# Altium PCB Carrier_Board.PcbDoc (part 1 of 2)
Units mm, origin at the board's own origin, x right, y up, seen from the top; angles counter-clockwise.
Board outline 80 x 90 mm, 2 copper layers (Top Layer, Bottom Layer); 131 components, 109 nets, 507 pads, 240 vias.
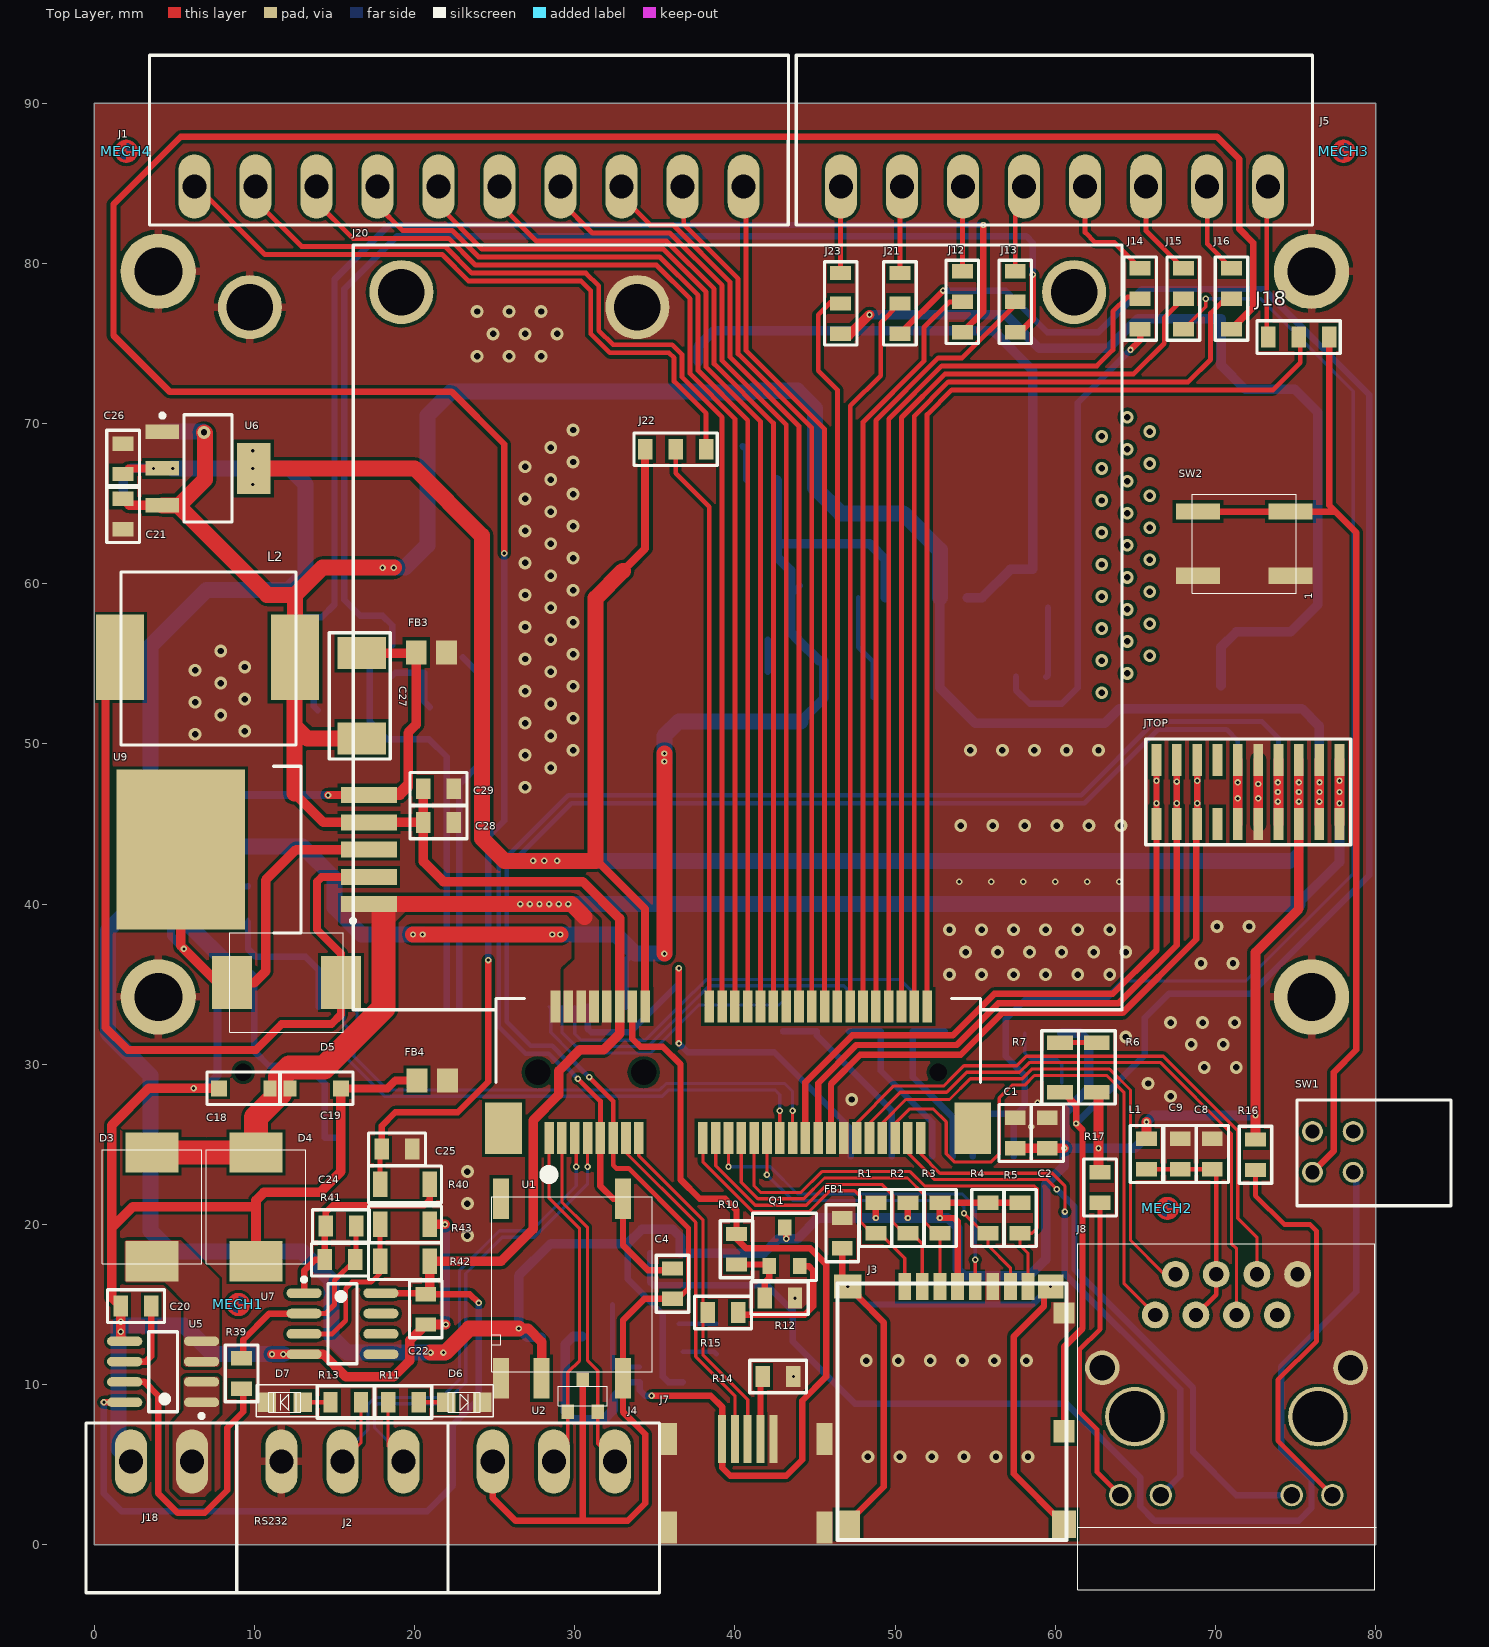
[diagram p0: Top Layer view]
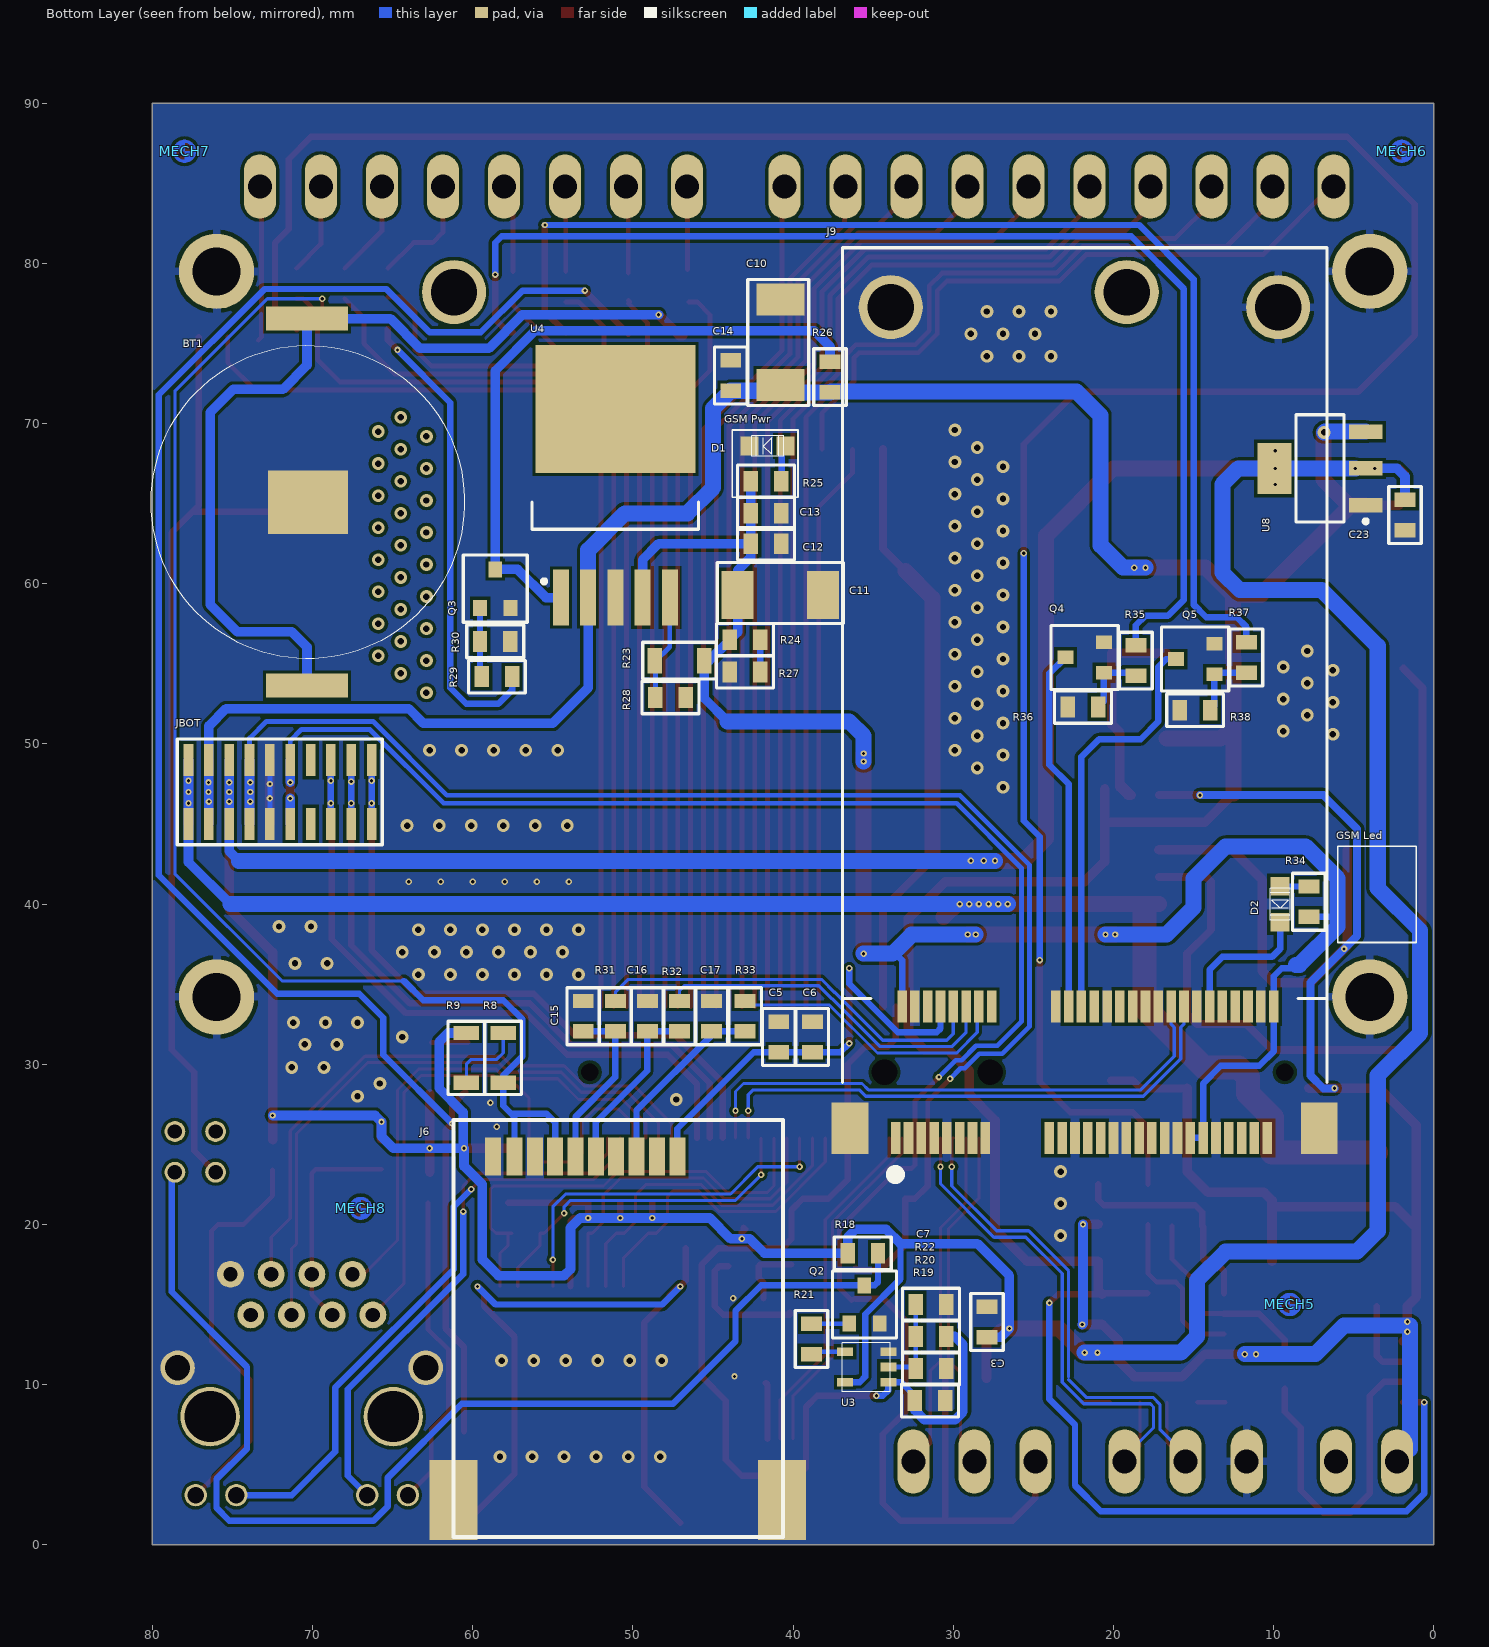
[diagram p1: Bottom Layer view, seen from below]

## Layer stack, top to bottom
Top Solder: solder mask 0.0102, Solder Resist, Dk 3.5
Top Layer: signal copper 0.0356
Dielectric 1: dielectric 0.32, FR-4, Dk 4.8
Bottom Layer: signal copper 0.0356
Bottom Solder: solder mask 0.0102, Solder Resist, Dk 3.5

## Board outline
0,0 0,90 80,90 80,0

## Design rules (kind name [scope] priority, off if disabled: settings)
Clearance [All] p1: gap=0.2 ignorepadtopadclearanceinfootprint=FALSE except(0: Arc-Hole Track-Hole SMDPad-Hole THPad-Hole Via-Hole Fill-Hole Poly-Hole Region-Hole Text-Hole)
ComponentClearance [All] p1 off: gap=0.1 collisioncheckmode=3 verticalgap=0.1 showdistances=FALSE
DiffPairsRouting [All] p1: maxlimit=0.2 minlimit=0.2 mostfreqgap=0.2 toplayer_minwidth=0.2 toplayer_maxwidth=0.2 toplayer_prefwidth=0.2 bottomlayer_minwidth=0.2 bottomlayer_maxwidth=0.2 bottomlayer_prefwidth=0.2 maxuncoupledlength=12.7
Height [All] p1 off: minheight=0 maxheight=25.4 prefheight=12.7
HoleSize [All] p1: absolutevalues=TRUE maxlimit=10 minlimit=0.025 maxpercent=80.000 minpercent=20.000
HoleToHoleClearance [All] p1: gap=0.1 allowstackedmicrovias=TRUE
MinimumSolderMaskSliver [All] p1: minsoldermaskwidth=0.001
PlaneConnect [All] p1: planeconnectstyle=Relief reliefexpansion=0.2 reliefentries=4 reliefconductorwidth=0.2 reliefairgap=0.2
PolygonConnect PolygonConnect_2 [InNet('NetD3_2') and OnLayer('Top Layer')] p1: connectstyle=Direct reliefconductorwidth=0.254 reliefentries=4 polygonreliefangle="90 Angle" airgapwidth=0.254
PolygonConnect PolygonConnect_3 [InNet('24V') and OnLayer('Top Layer')] p2: connectstyle=Direct reliefconductorwidth=0.254 reliefentries=4 polygonreliefangle="90 Angle" airgapwidth=0.254
PolygonConnect PolygonConnect_1 [InNet('NetJ18_1') and OnLayer('Top Layer')] p3: connectstyle=Direct reliefconductorwidth=0.254 reliefentries=4 polygonreliefangle="90 Angle" airgapwidth=0.254
PolygonConnect [All] p4: connectstyle=Relief reliefconductorwidth=0.5 reliefentries=4 polygonreliefangle="90 Angle" airgapwidth=0.25
RoutingVias [All] p1: holewidth=0.2 width=0.4 viastyle="Through Hole" minholewidth=0.2 minwidth=0.4 maxholewidth=0.2 maxwidth=0.4
SilkToSilkClearance [All] p1: silktosilkclearance=0.1
SilkToSolderMaskClearance [IsPad] p1: minsilkscreentomaskgap=0 clearancetoexposedcopper=TRUE
SolderMaskExpansion [All] p1: expansion=0.102 istentingtop=FALSE
Width [All] p1: maxlimit=2 minlimit=0.2 preferedwidth=0.2
21 further rules are at their usual default settings.

## Classes and differential pairs
component class "[01] - Connectors": BT1 C1 C2 C3 C4 C5 C6 C7 C8 C9 D6 D7 FB1 J1 J2 J3 J4 J5 J6 J7 J8 JBOT JTOP L1 MECH1 MECH2 MECH3 MECH4 MECH5 MECH6 MECH7 MECH8 Q1 Q2 R1 R2 R3 R4 R5 R6 R7 R8 R9 R10 R11 R12 R13 R14 R15 R16 R17 R18 R19 R20 R21 R22 SW1 SW2 U1 U2 U3
component class "[03] - GSM": C10 C11 C12 C13 C14 C15 C16 C17 D1 D2 J9 Q3 Q4 Q5 R23 R24 R25 R26 R27 R28 R29 R30 R31 R32 R33 R34 R35 R36 R37 R38 U4
component class "[04] - PCI-Modul": J12 J13 J14 J15 J16 J18 J20 J21 J22 J23
component class "[02] - Power": C18 C19 C20 C21 C22 C23 C24 C25 C26 C27 C28 C29 D3 D4 D5 FB3 FB4 J18 L2 R39 R40 R41 R42 R43 U5 U6 U7 U8 U9
net class DIFF90: GSM_N GSM_P
net class ETHRT: 3V3 ETH0_ACTLED ETH0_LINKLED ETHER0RD_N ETHER0RD_P ETHER0TD_N ETHER0TD_P GND NetC8_2 NetJ8_7 NetJ8_D2 NetJ8_D4 NetJ8_M1 NetJ8_M2
net class GSM_HS: GSM_N GSM_P
net class MMC_SD: STM32F4_MMC0_CLK STM32F4_MMC0_CMD STM32F4_MMC0_D0 STM32F4_MMC0_D1 STM32F4_MMC0_D2 STM32F4_MMC0_D3
net class RS323: GND NetD6_2 NetD7_2 NetJ2_3 PCI_RS232_RIN PCI_RS232_TOUT
net class RS485: 3V3 GND GND0 ISO5V NetU1_8 PCI_RS485_USART3_A PCI_RS485_USART3_B
net class SDCARD: 3V3 CHASSIS_SD GND MMC_CD0 NetR6_1 STM32F4_MMC0_CLK STM32F4_MMC0_CMD STM32F4_MMC0_D0 STM32F4_MMC0_D1 STM32F4_MMC0_D2 STM32F4_MMC0_D3
net class SIMCARD: 3V3 GND GSM_SIM_CLK GSM_SIM_DATA GSM_SIM_PWR GSM_SIM_RST NetJ6_5 NetJ6_6 NetR8_2 SIMCARD_DETECT
net class USB: 3V3 GND NetC7_2 NetJ7_4 NetQ1_1 NetQ1_2 NetQ2_1 NetQ2_3 NetR21_2 NetSW1_3 NetSW1_4 PCI_PIN_AUTO U5V_ST USB_1_DM USB_1_DP
differential pair GSM: +GSM_P -GSM_N

## Components (designator, comment, footprint, x,y, rotation, side; value= is the part's Value field where it differs from the comment)
BT1 "2032" "2032 SMT Bulk" 70.325,65.1 r270 bottom
C1 "100nF" C0805 57.5,25.7 r270 top
C2 "4.7µF" C0805 59.5,25.7 r270 top
C3 "4.7µF" C0805 27.9,13.9 r90 bottom
C4 "10µF" C0805 36.1,16.3 r270 top
C5 "CAP CER 33PF 50V" C0805 40.9,31.7 r90 bottom
C6 "100nF" C0805 38.8,31.7 r90 bottom
C7 "10µF" C0805 31.4,15 r0 bottom
C8 "100nF" C0805 69.8,24.4 r270 top
C9 "100nF" C0805 67.8,24.4 r270 top
C10 "100µF" Case_C 40.8,75.067 r90 bottom
C11 "100µF" Case_C 40.8,59.3 r180 bottom
C12 "18PF" C0805 41.7,62.5 r0 bottom
C13 "18PF" C0805 41.7,64.4 r0 bottom
C14 "100nF" C0805 43.9,73 r270 bottom
C15 "CAP CER 33PF 50V" C0805 53.1,33 r90 bottom
C16 "CAP CER 33PF 50V" C0805 49.1,33 r90 bottom
C17 "CAP CER 33PF 50V" C0805 45.1,33 r90 bottom
C18 "CAP TANT 1UF 35V 10% 1206" Case_A 9.2,28.5 r180 top
C19 "CAP TANT 1UF 35V 10% 1206" Case_A 14,28.5 r0 top
C20 "100nF" C0805 2.6,14.9 r180 top
C21 "100nF" C0805 1.8,64.35 r90 top
C22 "100nF" C0805 20.7,14.7 r90 top
C23 "100nF" C0805 1.8,64.3 r90 bottom
C24 "1µF" c0805 15.4,19.9 r180 top
C25 "10µF" C0805 18.9,24.7 r180 top
C26 "100nF" C0805 1.8,67.8 r270 top
C27 "100µF" Case_C 16.7,53 r90 top
C28 "1µF" C0805 21.5,45.1 r180 top
C29 "100nF" C0805 21.5,47.2 r180 top
D1 "LED Green" LED_0805 41.6,68.6 r0 bottom
D2 "LED Green" LED_0805 9.6,40 r270 bottom
D3 "B540C-13-F" B520C-13-F 3.6,21.1 r90 top
D4 "B540C-13-F" B520C-13-F 10.1,21.1 r90 top
D5 "B540C-13-F" B520C-13-F 12,35.1 r0 top
D6 "LED Green" LED_0805 23.1,8.9 r0 top
D7 "LED Green" LED_0805 11.9,8.9 r180 top
FB1 "150 Ohm @ 100MHz" 0805#1 46.7,20.4 r270 top
FB3 "150 Ohm @ 100MHz" 0805#2 21.05,55.7 r0 top
FB4 "150 Ohm @ 100MHz" 0805#2 21.1,29 r0 top
J1 "CON-10 PIN" Connector_10_pin 23.4,84.8 r0 top locked
J2 "CON-3 PIN" CONECTOR_PCB_3_90_3.81mm 15.49,5.2 r180 top locked
J3 "CONN MICRO SD CARD PUSH-PUSH R/A" microSD 53.8,8.7 r180 top locked
J4 "CON-3 PIN" CONECTOR_PCB_3_90_3.81mm 28.69,5.2 r180 top locked
J5 "CON-8 PIN" CONECTOR_PCB_10_3.81_90 63.77,84.8 r0 top locked
J6 "CON-Simcard" SIMCARD 61.2,3.54 r270 bottom locked
J7 "CON-USB_Mini_B" "USB MINI TYPE B" 40.8,6.6 r90 top locked
J8 "CON-RJ45_10_100Mb" 6605728-1 76.4,8 r0 top locked
J9 "CON-mini PCI Express" GSM 37.6,24.4 r180 bottom locked
J12 "CON-Header,3Pin" "SMD HEADER 0805" 54.2,77.6 r90 top
J13 "CON-Header,3Pin" "SMD HEADER 0805" 57.5,77.6 r90 top
J14 "CON-Header,3Pin" "SMD HEADER 0805" 65.3,77.8 r90 top
J15 "CON-Header,3Pin" "SMD HEADER 0805" 68,77.8 r90 top
J16 "CON-Header,3Pin" "SMD HEADER 0805" 71,77.8 r90 top
J18 "Conn 2 Pin" "CONNECTOR 2 WAYS PITCH 3,81" 2.29,5.2 r180 top locked
J18 "CON-Header,3Pin" "SMD HEADER 0805" 75.2,75.4 r180 top
J20 "MINIPCIe" "PCI MODUL" 27.524,29.404 r0 top locked
J21 "CON-Header,3Pin" "SMD HEADER 0805" 50.3,77.5 r90 top
J22 "CON-Header,3Pin" "SMD HEADER 0805" 36.3,68.4 r0 top
J23 "CON-Header,3Pin" "SMD HEADER 0805" 46.6,77.5 r90 top
JBOT "Header 2x10" "Header 2x10 2mm" 77.75,45 r180 bottom
JTOP "Header 2x10" "Header 2x10 2mm" 77.75,49 r180 top
L1 "150 Ohm @ 100MHz" 0805#1 65.7,23.45 r90 top
L2 "L-IND 33UH 2.5A" Bobin_SMD 7,55.4 r0 top
MECH1 "MECH-Fidicuals" T-Fidicuals 9,15 r90 top
MECH2 "MECH-Fidicuals" T-Fidicuals 67,21 r90 top
MECH3 "MECH-Fidicuals" T-Fidicuals 78,87 r90 top
MECH4 "MECH-Fidicuals" T-Fidicuals 2,87 r90 top
MECH5 "MECH-Fidicuals" T-Fidicuals 9,15 r90 bottom
MECH6 "MECH-Fidicuals" T-Fidicuals 2,87 r90 bottom
MECH7 "MECH-Fidicuals" T-Fidicuals 78,87 r90 bottom
MECH8 "MECH-Fidicuals" T-Fidicuals 67,21 r90 bottom
Q1 "BC817-40,215" SO-G3/Y1 43.1,18.6 r0 top
Q2 "BC817-40,215" SO-G3/Y1 35.55,15 r180 bottom
Q3 "BC817-40,215" SO-G3/Y1 58.6,59.7 r180 bottom
Q4 "BC817-40,215" SO-G3/Y1 21.8,55.4 r90 bottom
Q5 "BC817-40,215" SO-G3/Y1 14.9,55.3 r90 bottom
R1 "10K Ohms" R0805 48.8,20.4 r90 top
R2 "10K Ohms" R0805 50.8,20.4 r90 top
R3 "10K Ohms" R0805 52.8,20.4 r90 top
R4 "10K Ohms" R0805 55.8,20.4 r90 top
R5 "10K Ohms" R0805 57.8,20.4 r90 top
R6 "RES SMD 75K OHM" R1206 62.6,29.8 r270 top
R7 "RES SMD 75K OHM" R1206 60.3,29.8 r90 top
R8 "RES SMD 75K OHM" R1206 58.1,30.4 r90 bottom
R9 "RES SMD 75K OHM" R1206 60.4,30.4 r90 bottom
R10 "10K Ohms" R0805 40.1,18.45 r90 top
R11 "#NAME?" R0805 19.298,8.898 r0 top
R12 "RES SMD 47K OHM" R0805 42.8,15.4 r0 top
R13 "#NAME?" R0805 15.702,8.902 r180 top
R14 "RES SMD 47K OHM" R0805 42.7,10.5 r0 top
R15 "#NAME?" R0805 39.25,14.5 r0 top
R16 "270R" R0805 72.5,24.35 r270 top
R17 "270R" R0805 62.8,22.3 r90 top
R18 "10K Ohms" R0805 35.65,18.2 r0 bottom
R19 "#NAME?" R0805 31.45,9 r180 bottom
R20 "10K Ohms" R0805 31.4,11 r180 bottom
R21 "4.7 Ohms" r0805 38.85,12.85 r270 bottom
R22 "10K Ohms" R0805 31.4,13 r180 bottom
R23 "RES SMD 75K OHM" R1206 47.1,55.2 r180 bottom
R24 "270R" R0805 43,56.5 r0 bottom
R25 "270R" R0805 41.7,66.4 r0 bottom
R26 "RES SMD 47K OHM" R0805 37.7,72.9 r90 bottom
R27 "270R" R0805 43,54.5 r180 bottom
R28 "RES SMD 47K OHM" R0805 47.65,52.9 r180 bottom
R29 "4.7 Ohms" R0805 58.5,54.2 r0 bottom
R30 "RES SMD 47K OHM" R0805 58.6,56.4 r0 bottom
R31 "22 Ohms" R0805 51.1,33 r270 bottom
R32 "22 Ohms" R0805 47.1,33 r270 bottom
R33 "22 Ohms" R0805 43,33 r270 bottom
R34 "R-2.2K,0805" R0805 7.8,40.15 r90 bottom
R35 "4.7 Ohms" R0805 18.6,55.2 r90 bottom
R36 "RES SMD 47K OHM" R0805 21.9,52.3 r180 bottom
R37 "4.7 Ohms" R0805 11.7,55.4 r90 bottom
R38 "RES SMD 47K OHM" R0805 14.9,52.1 r180 bottom
R39 "#NAME?" R0805 9.2,10.7 r270 top
R40 "RES SMD 75K OHM" R1206 19.4,22.5 r180 top
R41 "RES SMD 47K OHM" R0805 15.35,17.8 r0 top
R42 "RES SMD 75K OHM" R1206 19.4,17.7 r180 top
R43 "RES SMD 75K OHM" R1206 19.4,20 r0 top
SW1 "DIP Switch" "DIP Switch" 78.6,23.26 r90 top
SW2 "Switch_Pushbutton_smd" SW_B3SL-1022P 71.8,62.5 r0 top
U1 "IC-ISE0305" "DC DC" 29.2,16 r0 top locked
U2 "D-SM712" "SM712 Sot23-3" 30.5,9.2 r0 top
U3 "IC-SN74AHC1G86DBVR XOR" SOT23-5 34.05,10.15 r90 bottom
U4 "MIC29302AWU" TO-263-5 51.1,66.1 r90 bottom
U5 "SENSOR CURRENT HALL 5A AC/DC" SOIC-8 4.3,10.8 r180 top
U6 "IC-LD1117S33TR" SOT-223_L 7.1,67.2 r0 top
U7 "LM358 Series 7 mV Input Offset Dual Operational Amplifier - SOIC-8" SOIC-8 15.5,13.8 r0 top
U8 "IC-LD1117S33TR" SOT-223_L 7.1,67.2 r0 bottom
U9 "IC-LM2596SX-5.0/NOPB" TO-263-5 10.2,43.4 r180 top

## Footprints (in the part's own frame and the unit in brackets; to place one, negate y for a bottom-side part, rotate by r counter-clockwise, add the part's x,y. Pads: shape width x height; smd on the part's side, far side on the other; paste and mask are expansions set on the pad)
0805#1 [mm]
  rect 0.9x1.3 smd: 1(0,0) 2(1.9,0)
  silkscreen extent -0.83,-1.02 2.73,1.02, body extent -0.25,-0.67 2.05,0.68, height 0.76
0805#2 [mm]
  rect 1.3x1.5 smd: 1(-0.95,0) 2(0.95,0)
  body extent -1.1,-0.67 1.2,0.68, height 0.76
"2032 SMT Bulk" [mm]
  rect 1.5x5.1 smd: 1(-11.45,-0.025) 2(11.45,-0.025)
  rect 3.96x5 smd: 3(0,0.025)
  silkscreen extent -9.78,-9.76 9.78,9.8, body extent -11.53,-7.92 11.33,7.32, height 4.47
6605728-1 [mil] "6605728-1"
  round 66 hole 35: 1(-400,250) 2(-350,350) 3(-300,250) 4(-250,350) 5(-200,250) 6(-150,350) 7(-100,250) 8(-50,350)
  round 55 hole 40: D2(-486.1,-193) D4(35.55,-193) D5(-386.11,-193) D6(-64.45,-193)
  round 146 hole 126: M1(-450,0) M2(0,0)
  round 85 hole 62: SHLD1(-530,120) SHLD2(80,120)
  silkscreen extent -592,-425 143,425, body extent -538,-430 87,413, height 551
B520C-13-F [mm] "B520C-13-F"
  rect 2.5x3.3 smd: 1(3.4,0) 2(-3.4,0)
  silkscreen extent -3.55,-3.1 3.55,3.1, body extent -4.19,-3.15 3.94,3.15, height 2.77
Bobin_SMD [mil]
  rect 118.11x210 smd: 1(-212.5,0) 2(217.5,0)
  silkscreen extent -210,-215 220,210, body extent -203,-206 203,196, height 173
C0805 [mm]
  rect 0.9x1.3 smd: 1(-0.95,0) 2(0.95,0)
  silkscreen extent -1.78,-1.02 1.78,1.02, body extent -1,-0.6 1,0.6, height 0.95
c0805 [mm]
  rect 0.9x1.3 smd: 1(-0.95,0) 2(0.95,0)
  silkscreen extent -1.78,-1.02 1.78,1.02, body extent -1,-0.6 1,0.6, height 0.95
Case_A [mm]
  rect 0.8x1 smd: 1(-1.778,0)
  rect 1x1 smd: 2(1.397,0)
  silkscreen extent -2.41,-1.02 2.16,1.02, body extent -1.86,-0.8 1.6,0.8, height 1.65
Case_C [mm]
  rect 2x3 smd: 1(-2.667,0) 2(2.667,0)
  silkscreen extent -3.94,-1.78 3.94,2.03, body extent -3.05,-1.55 3.05,1.8, height 2.7
CONECTOR_PCB_3_90_3.81mm [mm]
  oval 2x4 hole 1.5: 1(-3.81,0) 2(0,0) 3(3.81,0)
  silkscreen extent -6.61,-2.4 6.6,8.2, body extent -6.41,-1.3 6.41,8, height 7.25
CONECTOR_PCB_10_3.81_90 [mm]
  oval 2x4 hole 1.5: 1(-17.145,0) 2(-13.335,0) 3(-9.525,0) 4(-5.715,0) 5(-1.905,0) 6(1.905,0) 7(5.715,0) 8(9.525,0)
  silkscreen extent -19.94,-2.4 12.3,8.2, body extent -19.73,-1.3 12.13,8, height 7.25
"CONNECTOR 2 WAYS PITCH 3,81" [mm]
  oval 2x4 hole 1.5: 1(-3.81,0) 2(0,0)
  silkscreen extent -6.61,-2.4 2.8,8.2, body extent -6.41,-1.3 2.6,8, height 7.26
Connector_10_pin [mm]
  oval 2x4 hole 1.5: 1(-17.145,0) 2(-13.335,0) 3(-9.525,0) 4(-5.715,0) 5(-1.905,0) 6(1.905,0) 7(5.715,0) 8(9.525,0) 9(13.335,0) 10(17.145,0)
  silkscreen extent -19.94,-2.4 19.95,8.2, body extent -19.8,-1.4 19.69,7.9, height 7.26
"DC DC" [mm]
  rect 1x2.54 smd: 1(-3.81,-5.6) 2(-1.27,-5.6) 4(3.81,-5.6) 5(3.81,5.6) 8(-3.81,5.6)
  silkscreen extent -4.37,-5.21 5.64,5.73, body extent -6.35,-5.5 6.35,5.7, height 7.45
"DIP Switch" [mm] "SWITCH SLIDE DIP SPST 25MA 24V"
  round 1.3 hole 0.9: 1(0,0) 2(0,2.54) 3(2.54,0) 4(2.54,2.54)
  silkscreen extent -2.1,-6.1 4.5,3.5, body extent -2.1,-7.46 4.5,2.66, height 9.91
GSM [mm] "Board-to-Board Connector, SMT, Right Angle, Pitch 0.8mm, 52-Position, Female"
  rect 0.6x2 smd mask+0.06: 1(4,1) 2(4.4,9.2) 3(4.8,1) 4(5.2,9.2) 5(5.6,1) 6(6,9.2) 7(6.4,1) 8(6.8,9.2) 9(7.2,1) 10(7.6,9.2) 11(8,1) 12(8.4,9.2) 13(8.8,1) 14(9.2,9.2) 15(9.6,1) 16(10,9.2) 17(13.6,1) 18(14,9.2) 19(14.4,1) 20(14.8,9.2) 21(15.2,1) 22(15.6,9.2) 23(16,1) 24(16.4,9.2) 25(16.8,1) 26(17.2,9.2) 27(17.6,1) 28(18,9.2) 29(18.4,1) 30(18.8,9.2) 31(19.2,1) 32(19.6,9.2) 33(20,1) 34(20.4,9.2) 35(20.8,1) 36(21.2,9.2) 37(21.6,1) 38(22,9.2) 39(22.4,1) 40(22.8,9.2) 41(23.2,1) 42(23.6,9.2) 43(24,1) 44(24.4,9.2) 45(24.8,1) 46(25.2,9.2) 47(25.6,1) 48(26,9.2) 49(26.4,1) 50(26.8,9.2) 51(27.2,1) 52(27.6,9.2)
  round 1.3 hole 1.6 unplated mask+0.06: MH1(3.3,5.1)
  round 0.8 hole 1.1 unplated mask+0.06: MH2(28.3,5.1)
  rect 2.3x3.2 smd mask+0.06: MP1(1.15,1.6) MP2(30.45,1.6)
  round 4 hole 2.9: MP3(27.881,52.867) MP4(3.692,52.867)
  silkscreen extent 0.67,-1.59 30.92,56.58, body extent 0.75,0.1 30.8,55.65, height 6.4
"Header 2x10 2mm" [mm]
  rect 0.6x2 smd: 1(0,0) 2(1.27,0) 3(2.54,0) 4(3.81,0) 5(5.08,0) 6(6.35,0) 7(7.62,0) 8(8.89,0) 9(10.16,0) 10(11.43,0) 11(0,4) 12(1.27,4) 13(2.54,4) 14(3.81,4) 15(5.08,4) 16(6.35,4) 17(7.62,4) 18(8.89,4) 19(10.16,4) 20(11.43,4)
  silkscreen extent -0.7,-1.3 12.1,5.3, body extent -0.65,-0.75 12.05,4.75, height 6.41
LED_0805 [mil]
  rect 45.28x47 smd: 1(44.29,0) 2(-44.29,0)
  silkscreen extent -39,-25 39,25, body extent -41,-15 41,21, height 33
microSD [mm] "Molex-5027740891"
  rect 0.8x1.68 smd: 1(3.2,-7.425) 2(2.1,-7.425) 3(1,-7.425) 4(-0.1,-7.425) 5(-1.2,-7.425) 6(-2.3,-7.425) 7(-3.4,-7.425) 8(-4.5,-7.425)
  rect 1.29x1.3 smd: 9(-6.75,-5.775)
  rect 1.29x1.4 smd: 10(-6.75,1.625)
  rect 1.7x1.5 smd: 11(6.75,-7.425)
  rect 1.5x1.7 smd: 12(-6.75,7.425) 13(6.75,7.425)
  rect 1.6x1.5 smd: 14(-5.91,-7.425)
  silkscreen extent -6.9,-7.6 7.4,8.4, body extent -6.9,-7.6 7.4,8.4, height 2.13
"PCI MODUL" [mm]
  rect 0.6x2 smd mask+0.06: 1(0.876,-4.004) 2(1.276,4.196) 3(1.676,-4.004) 4(2.076,4.196) 5(2.476,-4.004) 6(2.876,4.196) 7(3.276,-4.004) 8(3.676,4.196) 9(4.076,-4.004) 10(4.476,4.196) 11(4.876,-4.004) 12(5.276,4.196) 13(5.676,-4.004) 14(6.076,4.196) 15(6.476,-4.004) 16(6.876,4.196) 17(10.476,-4.004) 18(10.876,4.196) 19(11.276,-4.004) 20(11.676,4.196) 21(12.076,-4.004) 22(12.476,4.196) 23(12.876,-4.004) 24(13.276,4.196) 25(13.676,-4.004) 26(14.076,4.196) 27(14.476,-4.004) 28(14.876,4.196) 29(15.276,-4.004) 30(15.676,4.196) 31(16.076,-4.004) 32(16.476,4.196) 33(16.876,-4.004) 34(17.276,4.196) 35(17.676,-4.004) 36(18.076,4.196) 37(18.476,-4.004) 38(18.876,4.196) 39(19.276,-4.004) 40(19.676,4.196) 41(20.076,-4.004) 42(20.476,4.196) 43(20.876,-4.004) 44(21.276,4.196) 45(21.676,-4.004) 46(22.076,4.196) 47(22.476,-4.004) 48(22.876,4.196) 49(23.276,-4.004) 50(23.676,4.196) 51(24.076,-4.004) 52(24.476,4.196)
  round 1.3 hole 1.6 unplated mask+0.06: MH1(0.176,0.096)
  round 0.8 hole 1.1 unplated mask+0.06: MH2(25.176,0.096)
  rect 2.3x3.2 smd mask+0.06: MP1(-1.974,-3.404) MP2(27.326,-3.404)
  round 4 hole 2.9: MP3(33.649,48.804) MP4(-8.351,48.804)
  silkscreen extent -11.35,-6.59 36.65,51.75, body extent -11.35,-4.9 36.65,51.75, height 7.2
R0805 [mm]
  rect 0.9x1.3 smd: 1(-0.95,0) 2(0.95,0)
  silkscreen extent -1.78,-1.02 1.78,1.02, body extent -1.15,-0.67 1.15,0.68, height 0.76
r0805 [mm]
  rect 0.9x1.3 smd: 1(-0.95,0) 2(0.95,0)
  silkscreen extent -1.78,-1.02 1.78,1.02, body extent -1.15,-0.67 1.15,0.68, height 0.76
R1206 [mm]
  rect 0.9x1.6 smd: 1(-1.55,0) 2(1.55,0)
  silkscreen extent -2.29,-1.14 2.29,1.14, body extent -1.67,-0.86 1.68,0.87, height 0.85
SIMCARD [mm]
  rect 2.4x1 smd mask+0.2: 1(-20.701,13.97) 2(-20.7,11.42) 3(-20.7,8.88) 4(-20.7,6.34) 5(-20.7,12.69) 6(-20.7,10.15) 7(-20.7,7.61) 8(-20.7,5.07) 22(-20.7,3.8) 23(-20.701,2.464)
  rect 5x3 smd mask+0.2: 32(0.74,0) 33(0.74,20.5)
  silkscreen extent -22.99,0 3.05,20.57, body extent -21.67,-0.01 4.83,20.94, height 1.85
"SM712 Sot23-3" [mil]
  rect 31x35 smd: 1(-37,-35.56) 2(37,-35.56) 3(0,43.44)
  silkscreen extent -60,-20 60,28, body extent -59,-55 59,63, height 51
"SMD HEADER 0805" [mm]
  rect 0.9x1.3 smd: 1(-1.9,0) 2(0,0) 3(1.9,0)
  silkscreen extent -2.6,-1.02 2.6,1.02, body extent -2.1,-0.67 0.2,0.68, height 0.76
SO-G3/Y1 [mm]
  rect 0.85x1 smd: 1(-0.95,-1.2) 2(0.95,-1.2) 3(0,1.2)
  silkscreen extent -2,-2.1 2,2.1
SOIC-8 [mm]
  oval 2.2x0.6 smd: 1(-2.4,1.905) 2(-2.4,0.635) 3(-2.4,-0.635) 4(-2.4,-1.905) 5(2.4,-1.905) 6(2.4,-0.635) 7(2.4,0.635) 8(2.4,1.905)
  silkscreen extent -2.53,-2.5 0.9,2.88, body extent -3,-2.45 3,2.45, height 1.75
SOT23-5 [mm] "R-PDSO-N5"
  rect 0.55x1 smd: 1(0,0)
  rect 0.55x1 smd mask+0.05: 2(0.95,0) 3(1.9,0) 4(1.9,2.7) 5(0,2.7)
  silkscreen extent -0.59,-0.1 2.46,2.9, body extent -0.58,-0.1 2.46,2.9, height 1.3
SOT-223_L [mm]
  rect 2.1x0.9 smd: 1(-2.85,2.3) 2(-2.85,0) 3(-2.85,-2.3)
  rect 2.1x3.2 smd: 4(2.85,0)
  silkscreen extent -2.97,-3.35 1.5,3.42, body extent -3.58,-3.25 3.38,3.25, height 1.9
SW_B3SL-1022P [mm] "SW_B3SL-1022P"
  rect 2.75x1 smd: 1(2.875,-2) 2(-2.875,-2) 3(2.875,2) 4(-2.875,2)
  silkscreen extent -3.25,-3.1 3.25,3.1, body extent -4.02,-3.25 3.98,3.25, height 7
T-Fidicuals [mm] "Fidicuals"
  Top Layer region: 0,-0.625 -0.375,-0.5 -0.625,-0.25 -0.625,0 0,0
  Top Layer region: 0.625,0 0,0 0,0.625 0.375,0.5 0.625,0.25
  Top Layer lines w0.203: 0,0.625 cw(c0,0) 0,-0.625 cw(c0,0) 0,0.625
TO-263-5 [mm] "D2-PAK, 6-Leads, Body 8.6x10.2mm, Pitch 1.7mm, Lead Span 14.1mm, IPC High Density"
  rect 3.5x1 smd mask+0.5: 1(-6.966,3.4) 2(-6.966,1.7) 3(-6.966,0) 4(-6.966,-1.7) 5(-6.966,-3.4)
  rect 8x10 smd: 6(4.8,0)
  silkscreen extent -6.07,-5.2 -1,5.2, body extent -7.93,-5.15 7.3,5.15, height 4.7
"USB MINI TYPE B" [mm] "USB MINI TYPE B"
  rect 3x0.5 smd mask+0.06: 1(0,1.6) 2(0,0.8) 3(0,0) 4(0,-0.8) 5(0,-1.6)
  rect 2x1 smd mask+0.06: S1(-5.52,-4.798) S2(0,-4.798) S3(0,4.925) S4(-5.52,4.925)
  body extent -8.51,-4.8 0.74,5.1, height 3.93

## Part data
BT1: library part "CON-Bat SMD 2", "HOLDER BATTERY 20MM COIN"
C1 C6 C8 C9 C14 C20 C21 C22 C23 C26 C29: library part C-100NF,16V,0805, "AVX - 0805YA103JAT2A - CAP, MLCC, C0G/NP0, 10NF, 16V, 0805"
C2 C3: library part C-4.7UF,16V,0805, "AVX - 0805YC475KAT2A - CAP, MLCC, X7R, 4.7UF, 16V, 0805"
C4 C7 C25: library part C-10UF,16V,0805, "AVX - 0805YD106KAT2A - CAP, MLCC, X5R, 10UF, 16V, 0805"
C5 C15 C16 C17: library part C-33PF,0805,50V, "CAP CER 33PF 50V NP0 0805"
C10 C11 C27: library part "C-10UF,TANTAL C", "CAP TANT 100UF 10V 10% 2413"
C12 C13: library part C-18PF,50V,0805, "MULTICOMP - MC0805N180J500CT - CAP, MLCC, C0G/NP0, 18PF, 50V,0805, REEL"
C18 C19: library part C-T491A105K035AT
C24 C28: library part C-1UF,16V,0805, "AVX - 0805YC105KAT2A - CAP, MLCC, X7R, 1UF, 16V, 0805"
D1 D2 D6 D7: library part "LED-Green SMD 20mA 2V 0805", "LED Green SMD 20mA 2V 0805"
D3 D4 D5: library part "D-B540C-13-F SCHOTTKY 40V 5A SMC", "DIODE SCHOTTKY 40V 5A SMC"
FB1 FB3 FB4 L1: library part L-150OHM,800MA, "FERRITE 800MA 150 OHM 0805 SMD"
J1: "Terminal Block 4 Pin"
J2 J4: "Terminal Block 3 Pin"
J3: library part "CON-microSD card", "MOLEX 5027740891"
J5: "Terminal Block 8 Pin"
J7: "Connector MicroUSB AB"
J8: "Connector MagRJ-45 Jack w/LED 10_100Mb"
J9: "PCI EXSPRESS"
J18: library part "Conn 2 Pin 3.81mm", "TERM BLOCK HDR 2POS R/A 3.81MM"
JBOT JTOP: library part "Header 2x10 2mm", "CONN HEADER 2MM SMD AU 20POS"
L2: "FIXED IND 33UH 2.5A 79 MOHM SMD"
MECH1 MECH2 MECH3 MECH4 MECH5 MECH6 MECH7 MECH8: "Fidicuals"
Q1 Q2 Q3 Q4 Q5: library part "T-BC817-40 NPN", "TRANS NPN 45V 0.5A SOT23"
R1 R2 R3 R4 R5 R10 R18 R20 R22: library part R-10K,0805, "BOURNS - CR0805-FX-1002GLF - RESISTOR, 10K, 0.125W, 1%"
R6 R7 R8 R9 R23 R40 R42 R43: library part R-75k,1206, "RES SMD 75K OHM 1% 1/4W 1206"
R11 R13 R15 R19 R39: library part R-1.5K,%1,0805, "RES SMD 1.5K OHM 1% 1/8W 0805"
R12 R14 R26 R28 R30 R36 R38 R41: library part R-47K,0805, "RES SMD 47K OHM 1% 1/8W 0805"
R16 R17 R24 R25 R27: library part R-270R,0805, "TE CONNECTIVITY / NEOHM 270R Thin Film"
R21 R29 R35 R37: library part R-4.7K,0805, "BOURNS - CR0805-FX-4701GLF - RESISTOR, 4.7K, 0.125W, 1%"
R31 R32 R33: library part R-22R,0805, "PANASONIC - ERJP06F22R0V - RESISTOR, THICK FILM, 22 OHM, 0.5W, 1%"
R34: "PANASONIC - ERJP06F2201V - RESISTOR, THICK FILM, 2.2 KOHM, 0.5W, 1%"
SW1: library part "DIP Switch KAS2102E", "SWITCH SLIDE DIP SPST 25MA 24V"
SW2: "Switch Push Button tactile"
U1: "DC/DC CONV 5V 1W"
U2: "TVS DIODE 12VWM 21VC SOT23"
U3: "IC GATE XOR 1CH 2-INP SOT-23-5"
U4: library part IC-MIC29302AWU, "IC REG LDO ADJ 3A TO263-5"
U5: library part "IC-ACS 712", "ACS712ELCTR-05B-T"
U6 U8: "IC REG LDO 3.3V 0.8A SOT223"
U7: library part IC-LM358, "LM358MXFSCT-ND"
U9: "Voltage Regulators - Switching Regulators 150 KHZ 3A STEP-DOWN VLTG REG"

## Free pads (board coordinates)
  round 4.7 hole 3: 3(4,34.2) 3(4,79.5) 3(76,34.2) 3(76,79.5)

## Via types
v1: diameter 0.8, hole 0.4, Top Layer to Bottom Layer, tented both sides, 137 vias
v2: diameter 0.4, hole 0.2, Top Layer to Bottom Layer, tented both sides, 102 vias
v3: diameter 0.4, hole 0.2, Top Layer to Bottom Layer, 1 vias

## Nets (pads, with @x,y where several pads share a name; then routed paths per layer and width w, separated by ;. In a path a pad name is that pad's centre, name@x,y a point inside that pad or via, vN(x,y) a via of type N, cw(c..) or ccw(c..) an arc to the next point about the centre after c; other vN are vias at no path point)
3V3: C1.2 C2.2 C3.1 C23.2 C26.2 J3.4 J20.16 J22.1 JBOT.3 JBOT.13 JTOP.3 JTOP.13 L1.2 Q1.3 R1.2 R2.2 R3.2 R4.2 R5.2 R6.2 R9.2 R16.1 R17.2 R18.2 U1.2 U3.5 U6.2 U6.4 U8.2 U8.4 | length 372.7
  Top Layer w0.4: Q1.3@43.1,19.8 43,19.7 43.2,19.5 v2(43.2,19.1) ; v2(48.8,20.4) R1.2@48.8,21.35 ; v2(50.8,20.4) R2.2@50.8,21.35 ; J3.4@53.9,16.125 53.9,20.2 53.7,20.4 v2(52.8,20.4) R3.2@52.8,21.35 R4.2@55.8,21.35 R5.2@57.8,21.35
  Top Layer w0.5: C26.2@1.8,66.85 2.15,67.2 U6.2@4.25,67.2 4.245,67.195 3.591,67.195 U6.2@3.596,67.2 ; 31.3,42.8 34.4,39.7 J20.16@34.4,33.6 ; 33,60.8 34.4,62.2 J22.1@34.4,68.4
  Top Layer w0.6: v2(26.5,13.5) 27.1,13.5 27.93,12.67 U1.2@27.93,10.4 ; C1.2@57.5,24.75 C2.2@59.5,24.75 v2(60.55,24.75) ; R17.2@62.7,23.25 v2(62.7,24.75) R6.2@62.7,28.15 ; L1.2@65.7,25.35 v2(65.7,26.4) ; R16.1@72.5,25.3 v2(72.5,26.8) 72.5,36.99 75.21,39.7 JTOP.13@75.21,45 v2(75.21,46.4) v2(75.21,47) v2(75.21,47.6) JTOP.3@75.21,49
  Top Layer w1: U6.4@9.95,67.2 20,67.2 24.2,63 24.2,44.1 25.6,42.7 v2(27.4,42.7) v2(28.1,42.7) v2(28.9,42.7) 31.3,42.7 ; v2(21,12) v3(21.8,12) ; v3@21.9,12 23.4,13.5 v2(26.5,13.5) ; 31.3,42.8 31.3,59.1 33,60.8
  Bottom Layer w0.4: 33.3,18.8 33.3,16.591 35.5,14.391 35.5,10.5 35.85,10.15 U3.5@36.75,10.15
  Bottom Layer w0.6: C23.2@1.8,65.25 1.8,66.7 2.3,67.2 U8.2@4.25,67.2 4.245,67.195 U8.2@3.591,67.195 ; C3.1@27.9,12.95 27.05,12.95 v2(26.5,13.5) 26.5,16.8 28.5,18.8 33.3,18.8 34.2,19.7 36.1,19.7 36.6,19.2 R18.2@36.6,18.2 41.8,18.2 42.7,19.1 v2(43.2,19.1) 43.9,19.1 45.2,20.4 v2(48.8,20.4) v2(50.8,20.4) v2(52.8,20.4) 53.3,20.4 53.9,19.8 53.9,17.2 54.3,16.8 58.4,16.8 59.4,17.8 59.4,22.49 60.55,23.64 v2(60.55,24.75) ; R9.2@60.4,31.95 61.55,31.95 62.1,31.4 62.1,28.5 60.6,27 60.6,24.8 v2(60.55,24.75) ; v2(72.5,26.8) 66.1,26.8 v2(65.7,26.4) 65.7,25.5 64.95,24.75 v2(62.7,24.75) v2(60.55,24.75) ; 74.6,42.7 75.21,43.31 JBOT.3@75.21,45 v2(75.21,46.4) v2(75.21,47) JBOT.13@75.21,49
  Bottom Layer w1: v2(4.9,67.2) 9.763,67.2 U8.4@9.95,67.2 12.2,67.2 13.2,66.2 13.2,60.7 12.1,59.6 7,59.6 3.5,56.1 3.5,41 0.85,38.35 0.85,31.95 3.5,29.3 3.5,19.6 4.8,18.3 13,18.3 14.8,16.5 14.8,13 15.8,12 v2(21,12) v3(21.8,12) ; v2(27.4,42.7) v2(28.1,42.7) v2(28.9,42.7) 74.6,42.7
  other v2: 9.9,66.2 3.691,67.195 9.9,67.2 9.9,68.3
5V: C10.1 C14.2 C21.2 C22.2 C27.1 C28.2 C29.2 J20.12 JBOT.2 JBOT.12 JTOP.2 JTOP.12 L2.2 R26.1 R42.1 U4.2 U5.8 U6.3 U7.8 U8.3 U9.4 | length 247.7
  Top Layer w0.4: v2(0.6,8.9) 1.895,8.9 U5.8@1.9,8.895 ; U7.8@17.9,15.705 20.645,15.705 C22.2@20.7,15.65 23.45,15.65 v2(24,15.1)
  Top Layer w0.6: C21.2@1.8,65.3 2.2,64.9 U6.3@4.25,64.9 ; 12.5,46.9 14.3,45.1 U9.4@17.166,45.1 C28.2@20.55,45.1 ; C29.2@20.55,47.2 C28.2@20.55,45.1 ; C22.2@20.7,15.65 20.95,15.9 R42.1@20.95,17.7 25.4,17.7 27.4,19.7 27.4,26.5 29,28.1 29,29.59 30.31,30.9 31.8,30.9 32.8,31.9 J20.12@32.8,33.6 32.8,39.1 30.5,41.4 21.8,41.4 20.55,42.65 C28.2@20.55,45.1 ; JTOP.12@76.48,45 JTOP.2@76.48,49
  Top Layer w1: U6.3@4.25,64.9 5.3,64.9 6.9,66.5 6.9,69.398 v1(6.85,69.447) ; U6.3@5.2,64.9 10.8,59.3 12.549,59.3 ; 12.5,46.9 12.5,51.138 ; C27.1@16.7,50.333 13.305,50.333 12.5,51.138 ; v2(18.7,61) v2(18,61) 14.249,61 12.525,59.275 L2.2@12.525,55.4 12.5,55.376 12.5,51.138
  Bottom Layer w0.4: v2(0.6,8.9) 0.6,3.2 1.7,2.1 20.8,2.1 22.4,3.7 22.4,7.5 24,9.1 v2(24,15.1)
  Bottom Layer w0.6: U4.2@52.8,59.134 52.8,53.5 55,51.3 63.1,51.3 64,52.2 75.4,52.2 76.48,51.12 JBOT.12@76.48,49 JBOT.2@76.48,45
  Bottom Layer w1: U8.3@4.25,69.5 4.254,69.504 6.794,69.504 v1(6.85,69.447) ; v2(18,61) 19.4,61 20.8,62.4 20.8,70.5 22.3,72 37.65,72 R26.1@37.7,71.95 41.05,71.95 41.15,72.05 C14.2@43.9,72.05 45,70.95 45,66 46.6,64.4 50.5,64.4 52.8,62.1 U4.2@52.8,59.134
  other v2: 76.48,46.4 76.5,47 76.5,47.6
24V: C18.1 C19.1 D3.1 D4.1 J20.4 J20.6 J20.8 JBOT.1 JBOT.11 JTOP.1 JTOP.11 U9.1 | length 102.9
  Top Layer w0.6: JTOP.11@77.75,45 v2(77.75,46.3) v2(77.75,47) v2(77.75,47.7) JTOP.1@77.75,49
  Top Layer w1: U9.1@17.166,40 U9.1@17.6,40 ; U9.1@17.9,39.7 U9.1@17.6,40 ; 30.6,39.2 29.8,40 U9.1@17.6,40
  Top Layer w1.5: D3.1@3.6,24.5 6.9,24.5 ; 7.1,24.5 D4.1@10.1,24.5 10.1,26.667 11.6,28.167 11.6,29.2 12.2,29.8 14.343,29.8 18.05,33.507 18.05,39.65 U9.1@18.1,39.7
  Bottom Layer w0.6: 75.137,40 77.75,42.613 JBOT.1@77.75,45 v2(77.75,46.3) v2(77.75,47) v2(77.75,47.7) JBOT.11@77.75,49
  Bottom Layer w1: v2(26.6,40) v2(27.2,40) v2(27.8,40) v2(28.4,40) v2(29,40) v2(29.6,40) 75.137,40
ADC_MONITOR: C25.2 J16.1 R40.2 | length 171
  Top Layer w0.3: R40.2@17.85,22.5 17.85,24.4 C25.2@17.95,24.5
  Top Layer w0.4: C25.2@17.95,24.7 17.95,26.15 18.8,27 22.7,27 24.6,28.9 v2(24.6,36.5) ; v2(25.6,61.9) 25.6,68.7 22.3,72 4.7,72 1.2,75.5 1.2,83.7 5.4,87.9 70.1,87.9 71.5,86.5 71.5,82.15 72.35,81.3 72.35,77.25 J16.1@71,75.9
  Bottom Layer w0.4: v2(24.6,36.5) 24.6,44.2 25.6,45.2 v2(25.6,61.9)
BAT3V3: BT1.1 BT1.2 J23.1 | length 57.3
  Top Layer w0.6: J23.1@46.9,75.5 47.1,75.5 v2(48.4,76.8)
  Bottom Layer w0.6: v2(48.4,76.8) 56.9,76.8 59,74.7 63.3,74.7 65.15,76.55 BT1.1@70.35,76.55 70.35,73.65 71.863,72.138 74.962,72.138 76.4,70.7 76.4,58.7 74.7,57 71.3,57 70.35,56.05 BT1.2@70.35,53.65
CHASSIS_SD: FB1.2 J3.11 J3.12 J3.13 J3.14 | length 50
  Top Layer w0.2: J3.13@47.05,1.275 J3.13@47.05,1.375
  Top Layer w0.4: FB1.2@46.7,18.5 46.7,16.475 v2(47.05,16.125) 47.15,16.125 47.7,15.575 47.7,15.475 49.3,13.875 49.3,3.625 J3.13@47.05,1.375 ; v2(59.71,16.125) 59.3,15.715 59.3,14.9 57.4,13 57.4,4.425 J3.12@60.55,1.275
  Bottom Layer w0.4: v2(47.05,16.125) 48.175,15 58.585,15 v2(59.71,16.125)